# KiCad board RP2040-Breadstick Panel.kicad_pcb
title: RP2040 Breadstick; date: 2023-02-27; rev: 0.1; company: J & R Creative Technologies Inc.; note: @RangenMichael; note: https://twitter.com/RangenMichael; note: Apache-2.0 License; note: https://github.com/mrangen/RP2040-Breadstick
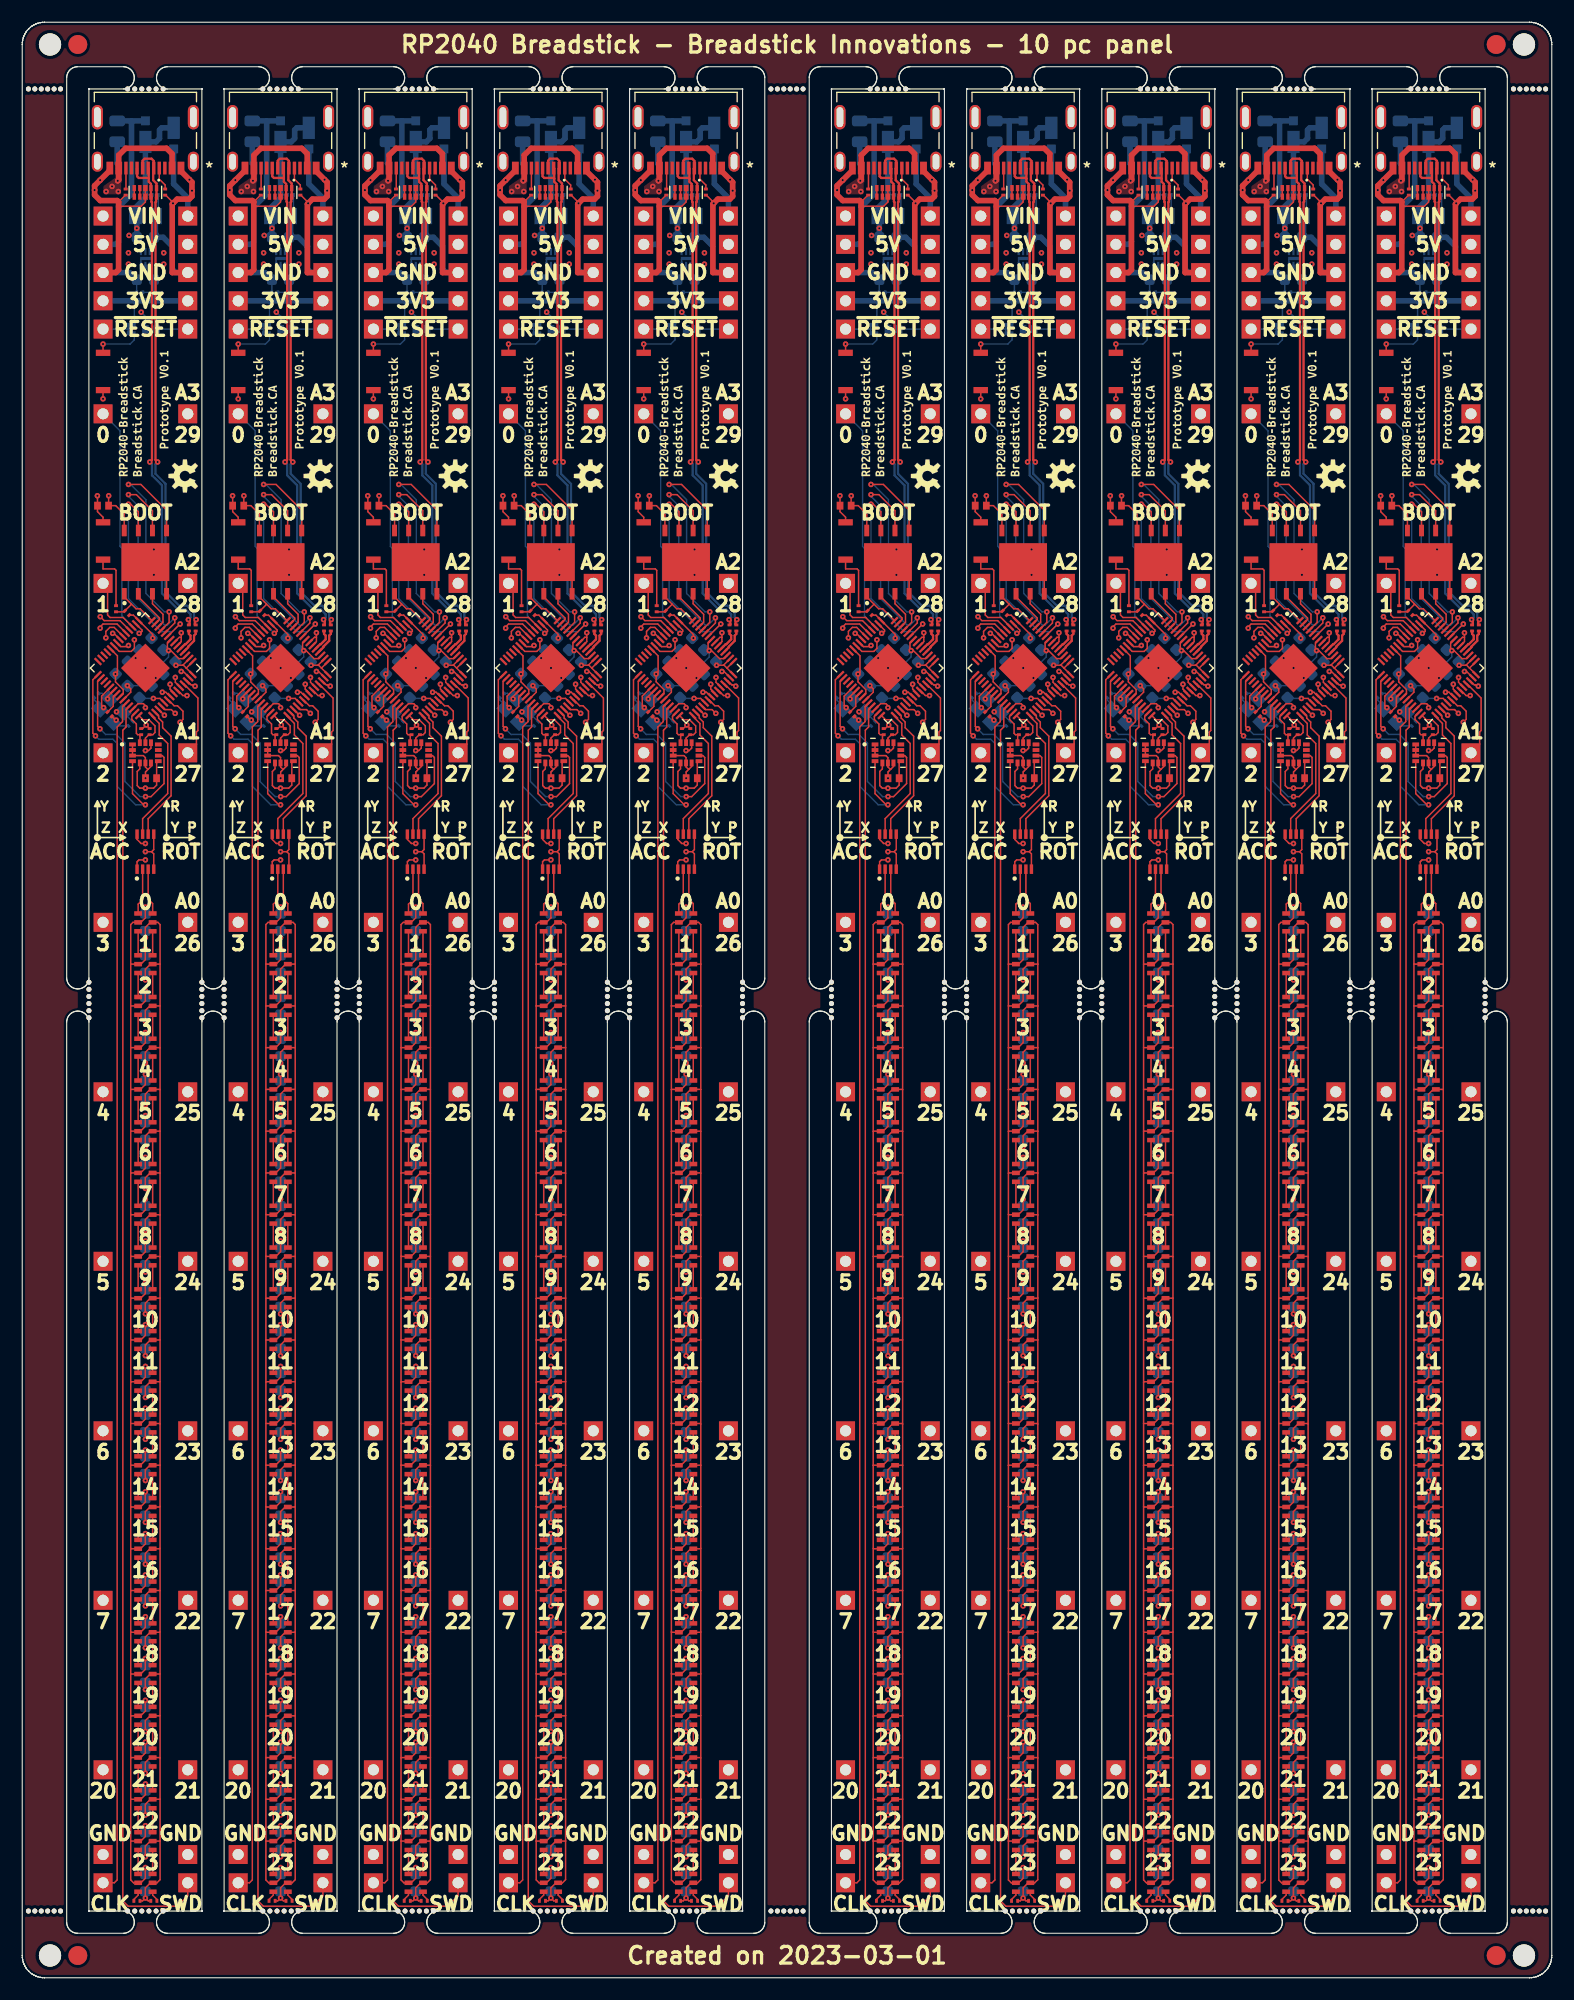
[diagram p0: board, top side]
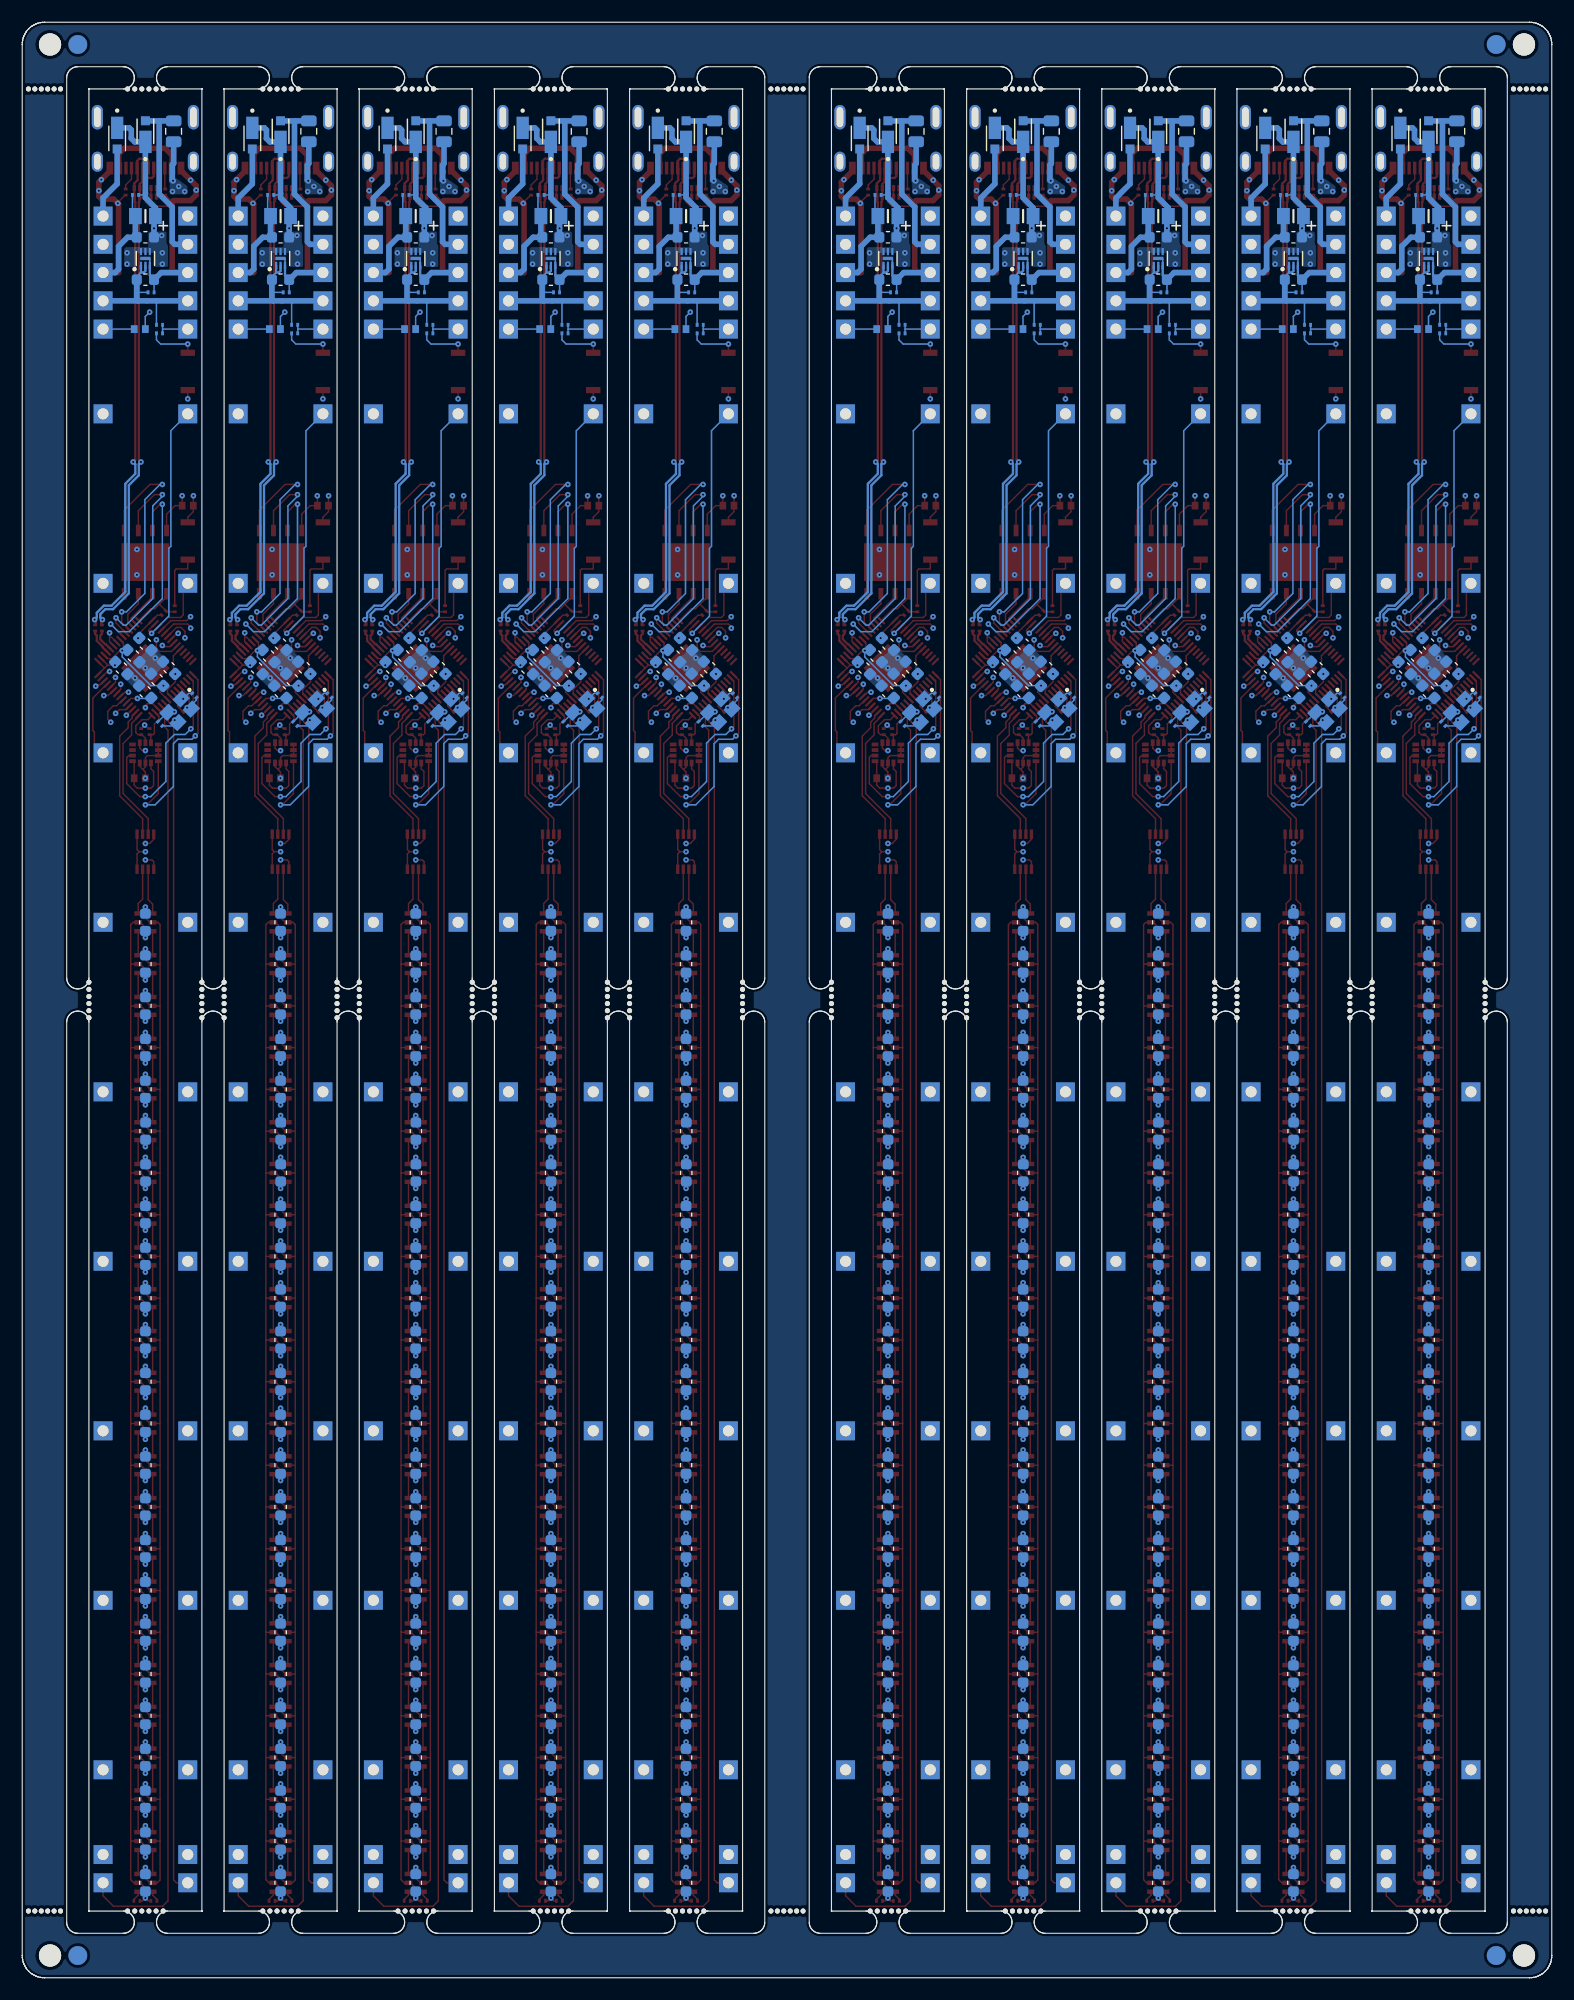
[diagram p1: board, bottom side, seen from below]

Outline 137.6 x 175.83 mm; copper layers: L1_SIG.Cu, L2_GND.Cu (plane), L3_SIG.Cu, L4_GND.Cu (plane), L5_3V3.Cu (plane), L6_5VHIGH.Cu (plane), L7_GND.Cu (plane), L8_SIG.Cu. Coordinates in mm from the lower left corner of the outline.
Stack: L1_SIG.Cu 0.07mm / dielectric 0.11mm PCBWay PP1080 er 4.29 / L2_GND.Cu 0.035mm / dielectric 0.2mm FR4 er 4.6 / L3_SIG.Cu 0.035mm / dielectric 0.11mm FR4 er 4.5 / L4_GND.Cu 0.035mm / dielectric 0.2mm FR4 er 4.6 / L5_3V3.Cu 0.035mm / dielectric 0.11mm FR4 er 4.5 / L6_5VHIGH.Cu 0.035mm / dielectric 0.2mm FR4 er 4.5 / L7_GND.Cu 0.035mm / dielectric 0.08mm PCBWay PP1080 er 4.29 / L8_SIG.Cu 0.07mm

## Placement (name value [footprint] x y rotation side)
C201  10pF 0201  [Perfect_0201_Cap]  6.69 115.3 135 bottom
C201#2  10pF 0201  [Perfect_0201_Cap]  109.97 115.3 135 bottom
C201#3  10pF 0201  [Perfect_0201_Cap]  85.65 115.3 135 bottom
C201#4  10pF 0201  [Perfect_0201_Cap]  18.85 115.3 135 bottom
C201#5  10pF 0201  [Perfect_0201_Cap]  73.49 115.3 135 bottom
C201#6  10pF 0201  [Perfect_0201_Cap]  55.33 115.3 135 bottom
C201#7  10pF 0201  [Perfect_0201_Cap]  31.01 115.3 135 bottom
C201#8  10pF 0201  [Perfect_0201_Cap]  43.17 115.3 135 bottom
C201#9  10pF 0201  [Perfect_0201_Cap]  122.13 115.3 135 bottom
C201#10  10pF 0201  [Perfect_0201_Cap]  97.81 115.3 135 bottom
C202  2.2uF 0603 10V  [C_0603_1608Metric]  60.8 118.84 225 bottom
C202#2  2.2uF 0603 10V  [C_0603_1608Metric]  91.12 118.84 225 bottom
C202#3  2.2uF 0603 10V  [C_0603_1608Metric]  24.32 118.84 225 bottom
C202#4  2.2uF 0603 10V  [C_0603_1608Metric]  103.28 118.84 225 bottom
C202#5  2.2uF 0603 10V  [C_0603_1608Metric]  127.6 118.84 225 bottom
C202#6  2.2uF 0603 10V  [C_0603_1608Metric]  48.64 118.84 225 bottom
C202#7  2.2uF 0603 10V  [C_0603_1608Metric]  115.44 118.84 225 bottom
C202#8  2.2uF 0603 10V  [C_0603_1608Metric]  36.48 118.84 225 bottom
C202#9  2.2uF 0603 10V  [C_0603_1608Metric]  12.16 118.84 225 bottom
C202#10  2.2uF 0603 10V  [C_0603_1608Metric]  78.96 118.84 225 bottom
C203  10pF 0201  [Perfect_0201_Cap]  125.2 112.76 315 bottom
C203#2  10pF 0201  [Perfect_0201_Cap]  46.24 112.76 315 bottom
C203#3  10pF 0201  [Perfect_0201_Cap]  76.56 112.76 315 bottom
C203#4  10pF 0201  [Perfect_0201_Cap]  21.92 112.76 315 bottom
C203#5  10pF 0201  [Perfect_0201_Cap]  113.04 112.76 315 bottom
C203#6  10pF 0201  [Perfect_0201_Cap]  100.88 112.76 315 bottom
C203#7  10pF 0201  [Perfect_0201_Cap]  34.08 112.76 315 bottom
C203#8  10pF 0201  [Perfect_0201_Cap]  88.72 112.76 315 bottom
C203#9  10pF 0201  [Perfect_0201_Cap]  58.4 112.76 315 bottom
C203#10  10pF 0201  [Perfect_0201_Cap]  9.76 112.76 315 bottom
C204  2.2uF 0603 10V  [C_0603_1608Metric]  113.3 116.7 45 bottom
C204#2  2.2uF 0603 10V  [C_0603_1608Metric]  76.82 116.7 45 bottom
C204#3  2.2uF 0603 10V  [C_0603_1608Metric]  22.18 116.7 45 bottom
C204#4  2.2uF 0603 10V  [C_0603_1608Metric]  88.98 116.7 45 bottom
C204#5  2.2uF 0603 10V  [C_0603_1608Metric]  10.02 116.7 45 bottom
C204#6  2.2uF 0603 10V  [C_0603_1608Metric]  34.34 116.7 45 bottom
C204#7  2.2uF 0603 10V  [C_0603_1608Metric]  101.14 116.7 45 bottom
C204#8  2.2uF 0603 10V  [C_0603_1608Metric]  46.5 116.7 45 bottom
C204#9  2.2uF 0603 10V  [C_0603_1608Metric]  58.66 116.7 45 bottom
C204#10  2.2uF 0603 10V  [C_0603_1608Metric]  125.46 116.7 45 bottom
C205  2.2uF 0603 10V  [C_0603_1608Metric]  11.08 119.92 225 bottom
C205#2  2.2uF 0603 10V  [C_0603_1608Metric]  59.72 119.92 225 bottom
C205#3  2.2uF 0603 10V  [C_0603_1608Metric]  90.04 119.92 225 bottom
C205#4  2.2uF 0603 10V  [C_0603_1608Metric]  35.4 119.92 225 bottom
C205#5  2.2uF 0603 10V  [C_0603_1608Metric]  102.2 119.92 225 bottom
C205#6  2.2uF 0603 10V  [C_0603_1608Metric]  23.24 119.92 225 bottom
C205#7  2.2uF 0603 10V  [C_0603_1608Metric]  47.56 119.92 225 bottom
C205#8  2.2uF 0603 10V  [C_0603_1608Metric]  126.52 119.92 225 bottom
C205#9  2.2uF 0603 10V  [C_0603_1608Metric]  114.36 119.92 225 bottom
C205#10  2.2uF 0603 10V  [C_0603_1608Metric]  77.88 119.92 225 bottom
C206  2.2uF 0603 10V  [C_0603_1608Metric]  35.42 115.63 45 bottom
C206#2  2.2uF 0603 10V  [C_0603_1608Metric]  102.22 115.63 45 bottom
C206#3  2.2uF 0603 10V  [C_0603_1608Metric]  77.9 115.63 45 bottom
C206#4  2.2uF 0603 10V  [C_0603_1608Metric]  126.54 115.63 45 bottom
C206#5  2.2uF 0603 10V  [C_0603_1608Metric]  11.1 115.63 45 bottom
C206#6  2.2uF 0603 10V  [C_0603_1608Metric]  90.06 115.63 45 bottom
C206#7  2.2uF 0603 10V  [C_0603_1608Metric]  47.58 115.63 45 bottom
C206#8  2.2uF 0603 10V  [C_0603_1608Metric]  114.38 115.63 45 bottom
C206#9  2.2uF 0603 10V  [C_0603_1608Metric]  23.26 115.63 45 bottom
C206#10  2.2uF 0603 10V  [C_0603_1608Metric]  59.74 115.63 45 bottom
C207  1uF 0402 10V  [Perfect_0402_Cap]  114.87 148.24 270 bottom
C207#2  1uF 0402 10V  [Perfect_0402_Cap]  11.59 148.24 270 bottom
C207#3  1uF 0402 10V  [Perfect_0402_Cap]  102.71 148.24 270 bottom
C207#4  1uF 0402 10V  [Perfect_0402_Cap]  48.07 148.24 270 bottom
C207#5  1uF 0402 10V  [Perfect_0402_Cap]  127.03 148.24 270 bottom
C207#6  1uF 0402 10V  [Perfect_0402_Cap]  35.91 148.24 270 bottom
C207#7  1uF 0402 10V  [Perfect_0402_Cap]  60.23 148.24 270 bottom
C207#8  1uF 0402 10V  [Perfect_0402_Cap]  23.75 148.24 270 bottom
C207#9  1uF 0402 10V  [Perfect_0402_Cap]  78.39 148.24 270 bottom
C207#10  1uF 0402 10V  [Perfect_0402_Cap]  90.55 148.24 270 bottom
C210  2.2uF 0603 10V  [C_0603_1608Metric]  100.07 117.79 45 bottom
C210#2  2.2uF 0603 10V  [C_0603_1608Metric]  45.43 117.79 45 bottom
C210#3  2.2uF 0603 10V  [C_0603_1608Metric]  75.75 117.79 45 bottom
C210#4  2.2uF 0603 10V  [C_0603_1608Metric]  57.59 117.79 45 bottom
C210#5  2.2uF 0603 10V  [C_0603_1608Metric]  124.39 117.79 45 bottom
C210#6  2.2uF 0603 10V  [C_0603_1608Metric]  33.27 117.79 45 bottom
C210#7  2.2uF 0603 10V  [C_0603_1608Metric]  87.91 117.79 45 bottom
C210#8  2.2uF 0603 10V  [C_0603_1608Metric]  112.23 117.79 45 bottom
C210#9  2.2uF 0603 10V  [C_0603_1608Metric]  8.95 117.79 45 bottom
C210#10  2.2uF 0603 10V  [C_0603_1608Metric]  21.11 117.79 45 bottom
C211  2.2uF 0603 10V  [C_0603_1608Metric]  25.4 117.76 225 bottom
C211#2  2.2uF 0603 10V  [C_0603_1608Metric]  61.88 117.76 225 bottom
C211#3  2.2uF 0603 10V  [C_0603_1608Metric]  128.68 117.76 225 bottom
C211#4  2.2uF 0603 10V  [C_0603_1608Metric]  49.72 117.76 225 bottom
C211#5  2.2uF 0603 10V  [C_0603_1608Metric]  37.56 117.76 225 bottom
C211#6  2.2uF 0603 10V  [C_0603_1608Metric]  104.36 117.76 225 bottom
C211#7  2.2uF 0603 10V  [C_0603_1608Metric]  92.2 117.76 225 bottom
C211#8  2.2uF 0603 10V  [C_0603_1608Metric]  116.52 117.76 225 bottom
C211#9  2.2uF 0603 10V  [C_0603_1608Metric]  13.24 117.76 225 bottom
C211#10  2.2uF 0603 10V  [C_0603_1608Metric]  80.04 117.76 225 bottom
C216  1uF 0402 10V  [Perfect_0402_Cap]  55.91 132.37 90 top
C216#2  1uF 0402 10V  [Perfect_0402_Cap]  7.27 132.37 90 top
C216#3  1uF 0402 10V  [Perfect_0402_Cap]  86.23 132.37 90 top
C216#4  1uF 0402 10V  [Perfect_0402_Cap]  74.07 132.37 90 top
C216#5  1uF 0402 10V  [Perfect_0402_Cap]  122.71 132.37 90 top
C216#6  1uF 0402 10V  [Perfect_0402_Cap]  19.43 132.37 90 top
C216#7  1uF 0402 10V  [Perfect_0402_Cap]  43.75 132.37 90 top
C216#8  1uF 0402 10V  [Perfect_0402_Cap]  98.39 132.37 90 top
C216#9  1uF 0402 10V  [Perfect_0402_Cap]  110.55 132.37 90 top
C216#10  1uF 0402 10V  [Perfect_0402_Cap]  31.59 132.37 90 top
C303  2.2uF 0603 10V  [C_0603_1608Metric]  126.52 94.9 270 bottom
C303#2  2.2uF 0603 10V  [C_0603_1608Metric]  23.24 94.9 270 bottom
C303#3  2.2uF 0603 10V  [C_0603_1608Metric]  114.36 94.9 270 bottom
C303#4  2.2uF 0603 10V  [C_0603_1608Metric]  102.2 94.9 270 bottom
C303#5  2.2uF 0603 10V  [C_0603_1608Metric]  59.72 94.9 270 bottom
C303#6  2.2uF 0603 10V  [C_0603_1608Metric]  35.4 94.9 270 bottom
C303#7  2.2uF 0603 10V  [C_0603_1608Metric]  47.56 94.9 270 bottom
C303#8  2.2uF 0603 10V  [C_0603_1608Metric]  77.88 94.9 270 bottom
C303#9  2.2uF 0603 10V  [C_0603_1608Metric]  90.04 94.9 270 bottom
C303#10  2.2uF 0603 10V  [C_0603_1608Metric]  11.08 94.9 270 bottom
C304  2.2uF 0603 10V  [C_0603_1608Metric]  35.4 91.15 270 bottom
C304#2  2.2uF 0603 10V  [C_0603_1608Metric]  11.08 91.15 270 bottom
C304#3  2.2uF 0603 10V  [C_0603_1608Metric]  59.72 91.15 270 bottom
C304#4  2.2uF 0603 10V  [C_0603_1608Metric]  90.04 91.15 270 bottom
C304#5  2.2uF 0603 10V  [C_0603_1608Metric]  102.2 91.15 270 bottom
C304#6  2.2uF 0603 10V  [C_0603_1608Metric]  126.52 91.15 270 bottom
C304#7  2.2uF 0603 10V  [C_0603_1608Metric]  114.36 91.15 270 bottom
C304#8  2.2uF 0603 10V  [C_0603_1608Metric]  23.24 91.15 270 bottom
C304#9  2.2uF 0603 10V  [C_0603_1608Metric]  77.88 91.15 270 bottom
C304#10  2.2uF 0603 10V  [C_0603_1608Metric]  47.56 91.15 270 bottom
C305  2.2uF 0603 10V  [C_0603_1608Metric]  90.04 87.39 270 bottom
C305#2  2.2uF 0603 10V  [C_0603_1608Metric]  35.4 87.39 270 bottom
C305#3  2.2uF 0603 10V  [C_0603_1608Metric]  126.52 87.39 270 bottom
C305#4  2.2uF 0603 10V  [C_0603_1608Metric]  47.56 87.39 270 bottom
C305#5  2.2uF 0603 10V  [C_0603_1608Metric]  114.36 87.39 270 bottom
C305#6  2.2uF 0603 10V  [C_0603_1608Metric]  102.2 87.39 270 bottom
C305#7  2.2uF 0603 10V  [C_0603_1608Metric]  77.88 87.39 270 bottom
C305#8  2.2uF 0603 10V  [C_0603_1608Metric]  59.72 87.39 270 bottom
C305#9  2.2uF 0603 10V  [C_0603_1608Metric]  23.24 87.39 270 bottom
C305#10  2.2uF 0603 10V  [C_0603_1608Metric]  11.08 87.39 270 bottom
C306  2.2uF 0603 10V  [C_0603_1608Metric]  114.36 83.64 270 bottom
C306#2  2.2uF 0603 10V  [C_0603_1608Metric]  23.24 83.64 270 bottom
C306#3  2.2uF 0603 10V  [C_0603_1608Metric]  102.2 83.64 270 bottom
C306#4  2.2uF 0603 10V  [C_0603_1608Metric]  59.72 83.64 270 bottom
C306#5  2.2uF 0603 10V  [C_0603_1608Metric]  126.52 83.64 270 bottom
C306#6  2.2uF 0603 10V  [C_0603_1608Metric]  90.04 83.64 270 bottom
C306#7  2.2uF 0603 10V  [C_0603_1608Metric]  77.88 83.64 270 bottom
C306#8  2.2uF 0603 10V  [C_0603_1608Metric]  11.08 83.64 270 bottom
C306#9  2.2uF 0603 10V  [C_0603_1608Metric]  35.4 83.64 270 bottom
C306#10  2.2uF 0603 10V  [C_0603_1608Metric]  47.56 83.64 270 bottom
C307  2.2uF 0603 10V  [C_0603_1608Metric]  102.2 79.88 270 bottom
C307#2  2.2uF 0603 10V  [C_0603_1608Metric]  35.4 79.88 270 bottom
C307#3  2.2uF 0603 10V  [C_0603_1608Metric]  126.52 79.88 270 bottom
C307#4  2.2uF 0603 10V  [C_0603_1608Metric]  114.36 79.88 270 bottom
C307#5  2.2uF 0603 10V  [C_0603_1608Metric]  77.88 79.88 270 bottom
C307#6  2.2uF 0603 10V  [C_0603_1608Metric]  90.04 79.88 270 bottom
C307#7  2.2uF 0603 10V  [C_0603_1608Metric]  23.24 79.88 270 bottom
C307#8  2.2uF 0603 10V  [C_0603_1608Metric]  47.56 79.88 270 bottom
C307#9  2.2uF 0603 10V  [C_0603_1608Metric]  11.08 79.88 270 bottom
C307#10  2.2uF 0603 10V  [C_0603_1608Metric]  59.72 79.88 270 bottom
C308  2.2uF 0603 10V  [C_0603_1608Metric]  90.03 76.13 270 bottom
C308#2  2.2uF 0603 10V  [C_0603_1608Metric]  126.51 76.13 270 bottom
C308#3  2.2uF 0603 10V  [C_0603_1608Metric]  77.87 76.13 270 bottom
C308#4  2.2uF 0603 10V  [C_0603_1608Metric]  59.7 76.13 270 bottom
C308#5  2.2uF 0603 10V  [C_0603_1608Metric]  23.22 76.13 270 bottom
C308#6  2.2uF 0603 10V  [C_0603_1608Metric]  35.39 76.13 270 bottom
C308#7  2.2uF 0603 10V  [C_0603_1608Metric]  102.19 76.13 270 bottom
C308#8  2.2uF 0603 10V  [C_0603_1608Metric]  47.55 76.13 270 bottom
C308#9  2.2uF 0603 10V  [C_0603_1608Metric]  114.35 76.13 270 bottom
C308#10  2.2uF 0603 10V  [C_0603_1608Metric]  11.06 76.13 270 bottom
C309  2.2uF 0603 10V  [C_0603_1608Metric]  59.7 72.37 270 bottom
C309#2  2.2uF 0603 10V  [C_0603_1608Metric]  11.06 72.37 270 bottom
C309#3  2.2uF 0603 10V  [C_0603_1608Metric]  126.51 72.37 270 bottom
C309#4  2.2uF 0603 10V  [C_0603_1608Metric]  47.55 72.37 270 bottom
C309#5  2.2uF 0603 10V  [C_0603_1608Metric]  114.35 72.37 270 bottom
C309#6  2.2uF 0603 10V  [C_0603_1608Metric]  23.22 72.37 270 bottom
C309#7  2.2uF 0603 10V  [C_0603_1608Metric]  77.87 72.37 270 bottom
C309#8  2.2uF 0603 10V  [C_0603_1608Metric]  90.03 72.37 270 bottom
C309#9  2.2uF 0603 10V  [C_0603_1608Metric]  35.39 72.37 270 bottom
C309#10  2.2uF 0603 10V  [C_0603_1608Metric]  102.19 72.37 270 bottom
C310  2.2uF 0603 10V  [C_0603_1608Metric]  23.24 68.62 270 bottom
C310#2  2.2uF 0603 10V  [C_0603_1608Metric]  11.08 68.62 270 bottom
C310#3  2.2uF 0603 10V  [C_0603_1608Metric]  59.72 68.62 270 bottom
C310#4  2.2uF 0603 10V  [C_0603_1608Metric]  102.2 68.62 270 bottom
C310#5  2.2uF 0603 10V  [C_0603_1608Metric]  77.88 68.62 270 bottom
C310#6  2.2uF 0603 10V  [C_0603_1608Metric]  47.56 68.62 270 bottom
C310#7  2.2uF 0603 10V  [C_0603_1608Metric]  126.52 68.62 270 bottom
C310#8  2.2uF 0603 10V  [C_0603_1608Metric]  114.36 68.62 270 bottom
C310#9  2.2uF 0603 10V  [C_0603_1608Metric]  35.4 68.62 270 bottom
C310#10  2.2uF 0603 10V  [C_0603_1608Metric]  90.04 68.62 270 bottom
C311  2.2uF 0603 10V  [C_0603_1608Metric]  77.88 64.86 270 bottom
C311#2  2.2uF 0603 10V  [C_0603_1608Metric]  102.2 64.86 270 bottom
C311#3  2.2uF 0603 10V  [C_0603_1608Metric]  59.72 64.86 270 bottom
C311#4  2.2uF 0603 10V  [C_0603_1608Metric]  90.04 64.86 270 bottom
C311#5  2.2uF 0603 10V  [C_0603_1608Metric]  126.52 64.86 270 bottom
C311#6  2.2uF 0603 10V  [C_0603_1608Metric]  11.08 64.86 270 bottom
C311#7  2.2uF 0603 10V  [C_0603_1608Metric]  114.36 64.86 270 bottom
C311#8  2.2uF 0603 10V  [C_0603_1608Metric]  47.56 64.86 270 bottom
C311#9  2.2uF 0603 10V  [C_0603_1608Metric]  35.4 64.86 270 bottom
C311#10  2.2uF 0603 10V  [C_0603_1608Metric]  23.24 64.86 270 bottom
C312  2.2uF 0603 10V  [C_0603_1608Metric]  90.04 61.11 270 bottom
C312#2  2.2uF 0603 10V  [C_0603_1608Metric]  114.36 61.11 270 bottom
C312#3  2.2uF 0603 10V  [C_0603_1608Metric]  126.52 61.11 270 bottom
C312#4  2.2uF 0603 10V  [C_0603_1608Metric]  11.08 61.11 270 bottom
C312#5  2.2uF 0603 10V  [C_0603_1608Metric]  102.2 61.11 270 bottom
C312#6  2.2uF 0603 10V  [C_0603_1608Metric]  59.72 61.11 270 bottom
C312#7  2.2uF 0603 10V  [C_0603_1608Metric]  47.56 61.11 270 bottom
C312#8  2.2uF 0603 10V  [C_0603_1608Metric]  23.24 61.11 270 bottom
C312#9  2.2uF 0603 10V  [C_0603_1608Metric]  35.4 61.11 270 bottom
C312#10  2.2uF 0603 10V  [C_0603_1608Metric]  77.88 61.11 270 bottom
C313  2.2uF 0603 10V  [C_0603_1608Metric]  23.24 57.35 270 bottom
C313#2  2.2uF 0603 10V  [C_0603_1608Metric]  102.2 57.35 270 bottom
C313#3  2.2uF 0603 10V  [C_0603_1608Metric]  77.88 57.35 270 bottom
C313#4  2.2uF 0603 10V  [C_0603_1608Metric]  90.04 57.35 270 bottom
C313#5  2.2uF 0603 10V  [C_0603_1608Metric]  47.56 57.35 270 bottom
C313#6  2.2uF 0603 10V  [C_0603_1608Metric]  114.36 57.35 270 bottom
C313#7  2.2uF 0603 10V  [C_0603_1608Metric]  126.52 57.35 270 bottom
C313#8  2.2uF 0603 10V  [C_0603_1608Metric]  11.08 57.35 270 bottom
C313#9  2.2uF 0603 10V  [C_0603_1608Metric]  35.4 57.35 270 bottom
C313#10  2.2uF 0603 10V  [C_0603_1608Metric]  59.72 57.35 270 bottom
C314  2.2uF 0603 10V  [C_0603_1608Metric]  59.72 53.6 270 bottom
C314#2  2.2uF 0603 10V  [C_0603_1608Metric]  90.04 53.6 270 bottom
C314#3  2.2uF 0603 10V  [C_0603_1608Metric]  35.4 53.6 270 bottom
C314#4  2.2uF 0603 10V  [C_0603_1608Metric]  114.36 53.6 270 bottom
C314#5  2.2uF 0603 10V  [C_0603_1608Metric]  102.2 53.6 270 bottom
C314#6  2.2uF 0603 10V  [C_0603_1608Metric]  23.24 53.6 270 bottom
C314#7  2.2uF 0603 10V  [C_0603_1608Metric]  126.52 53.6 270 bottom
C314#8  2.2uF 0603 10V  [C_0603_1608Metric]  47.56 53.6 270 bottom
C314#9  2.2uF 0603 10V  [C_0603_1608Metric]  11.08 53.6 270 bottom
C314#10  2.2uF 0603 10V  [C_0603_1608Metric]  77.88 53.6 270 bottom
C315  2.2uF 0603 10V  [C_0603_1608Metric]  11.08 49.84 270 bottom
C315#2  2.2uF 0603 10V  [C_0603_1608Metric]  23.24 49.84 270 bottom
C315#3  2.2uF 0603 10V  [C_0603_1608Metric]  47.56 49.84 270 bottom
C315#4  2.2uF 0603 10V  [C_0603_1608Metric]  102.2 49.84 270 bottom
C315#5  2.2uF 0603 10V  [C_0603_1608Metric]  114.36 49.84 270 bottom
C315#6  2.2uF 0603 10V  [C_0603_1608Metric]  90.04 49.84 270 bottom
C315#7  2.2uF 0603 10V  [C_0603_1608Metric]  35.4 49.84 270 bottom
C315#8  2.2uF 0603 10V  [C_0603_1608Metric]  59.72 49.84 270 bottom
C315#9  2.2uF 0603 10V  [C_0603_1608Metric]  77.88 49.84 270 bottom
C315#10  2.2uF 0603 10V  [C_0603_1608Metric]  126.52 49.84 270 bottom
C316  2.2uF 0603 10V  [C_0603_1608Metric]  77.88 46.09 270 bottom
C316#2  2.2uF 0603 10V  [C_0603_1608Metric]  47.56 46.09 270 bottom
C316#3  2.2uF 0603 10V  [C_0603_1608Metric]  59.72 46.09 270 bottom
C316#4  2.2uF 0603 10V  [C_0603_1608Metric]  35.4 46.09 270 bottom
C316#5  2.2uF 0603 10V  [C_0603_1608Metric]  102.2 46.09 270 bottom
C316#6  2.2uF 0603 10V  [C_0603_1608Metric]  114.36 46.09 270 bottom
C316#7  2.2uF 0603 10V  [C_0603_1608Metric]  90.04 46.09 270 bottom
C316#8  2.2uF 0603 10V  [C_0603_1608Metric]  11.08 46.09 270 bottom
C316#9  2.2uF 0603 10V  [C_0603_1608Metric]  23.24 46.09 270 bottom
C316#10  2.2uF 0603 10V  [C_0603_1608Metric]  126.52 46.09 270 bottom
C317  2.2uF 0603 10V  [C_0603_1608Metric]  47.56 42.33 270 bottom
C317#2  2.2uF 0603 10V  [C_0603_1608Metric]  102.2 42.33 270 bottom
C317#3  2.2uF 0603 10V  [C_0603_1608Metric]  35.4 42.33 270 bottom
C317#4  2.2uF 0603 10V  [C_0603_1608Metric]  23.24 42.33 270 bottom
C317#5  2.2uF 0603 10V  [C_0603_1608Metric]  126.52 42.33 270 bottom
C317#6  2.2uF 0603 10V  [C_0603_1608Metric]  114.36 42.33 270 bottom
C317#7  2.2uF 0603 10V  [C_0603_1608Metric]  11.08 42.33 270 bottom
C317#8  2.2uF 0603 10V  [C_0603_1608Metric]  59.72 42.33 270 bottom
C317#9  2.2uF 0603 10V  [C_0603_1608Metric]  77.88 42.33 270 bottom
C317#10  2.2uF 0603 10V  [C_0603_1608Metric]  90.04 42.33 270 bottom
C318  2.2uF 0603 10V  [C_0603_1608Metric]  77.88 38.58 270 bottom
C318#2  2.2uF 0603 10V  [C_0603_1608Metric]  59.72 38.58 270 bottom
C318#3  2.2uF 0603 10V  [C_0603_1608Metric]  23.24 38.58 270 bottom
C318#4  2.2uF 0603 10V  [C_0603_1608Metric]  90.04 38.58 270 bottom
C318#5  2.2uF 0603 10V  [C_0603_1608Metric]  102.2 38.58 270 bottom
C318#6  2.2uF 0603 10V  [C_0603_1608Metric]  11.08 38.58 270 bottom
C318#7  2.2uF 0603 10V  [C_0603_1608Metric]  35.4 38.58 270 bottom
C318#8  2.2uF 0603 10V  [C_0603_1608Metric]  114.36 38.58 270 bottom
C318#9  2.2uF 0603 10V  [C_0603_1608Metric]  126.52 38.58 270 bottom
C318#10  2.2uF 0603 10V  [C_0603_1608Metric]  47.56 38.58 270 bottom
C319  2.2uF 0603 10V  [C_0603_1608Metric]  114.36 34.82 270 bottom
C319#2  2.2uF 0603 10V  [C_0603_1608Metric]  90.04 34.82 270 bottom
C319#3  2.2uF 0603 10V  [C_0603_1608Metric]  35.4 34.82 270 bottom
C319#4  2.2uF 0603 10V  [C_0603_1608Metric]  47.56 34.82 270 bottom
C319#5  2.2uF 0603 10V  [C_0603_1608Metric]  23.24 34.82 270 bottom